# Altium PCB R45_Driver.PcbDoc (part 2 of 2)
Units mm, origin at the board's own origin, x right, y up, seen from the top; angles counter-clockwise.
Board outline 52 x 58.5 mm, 4 copper layers (Top Layer, Layer 1, Layer 2, Bottom Layer), stack 0.742 mm thick; 138 components, 86 nets, 412 pads, 530 vias.
Unrouted connection lines stored in the file: 10.
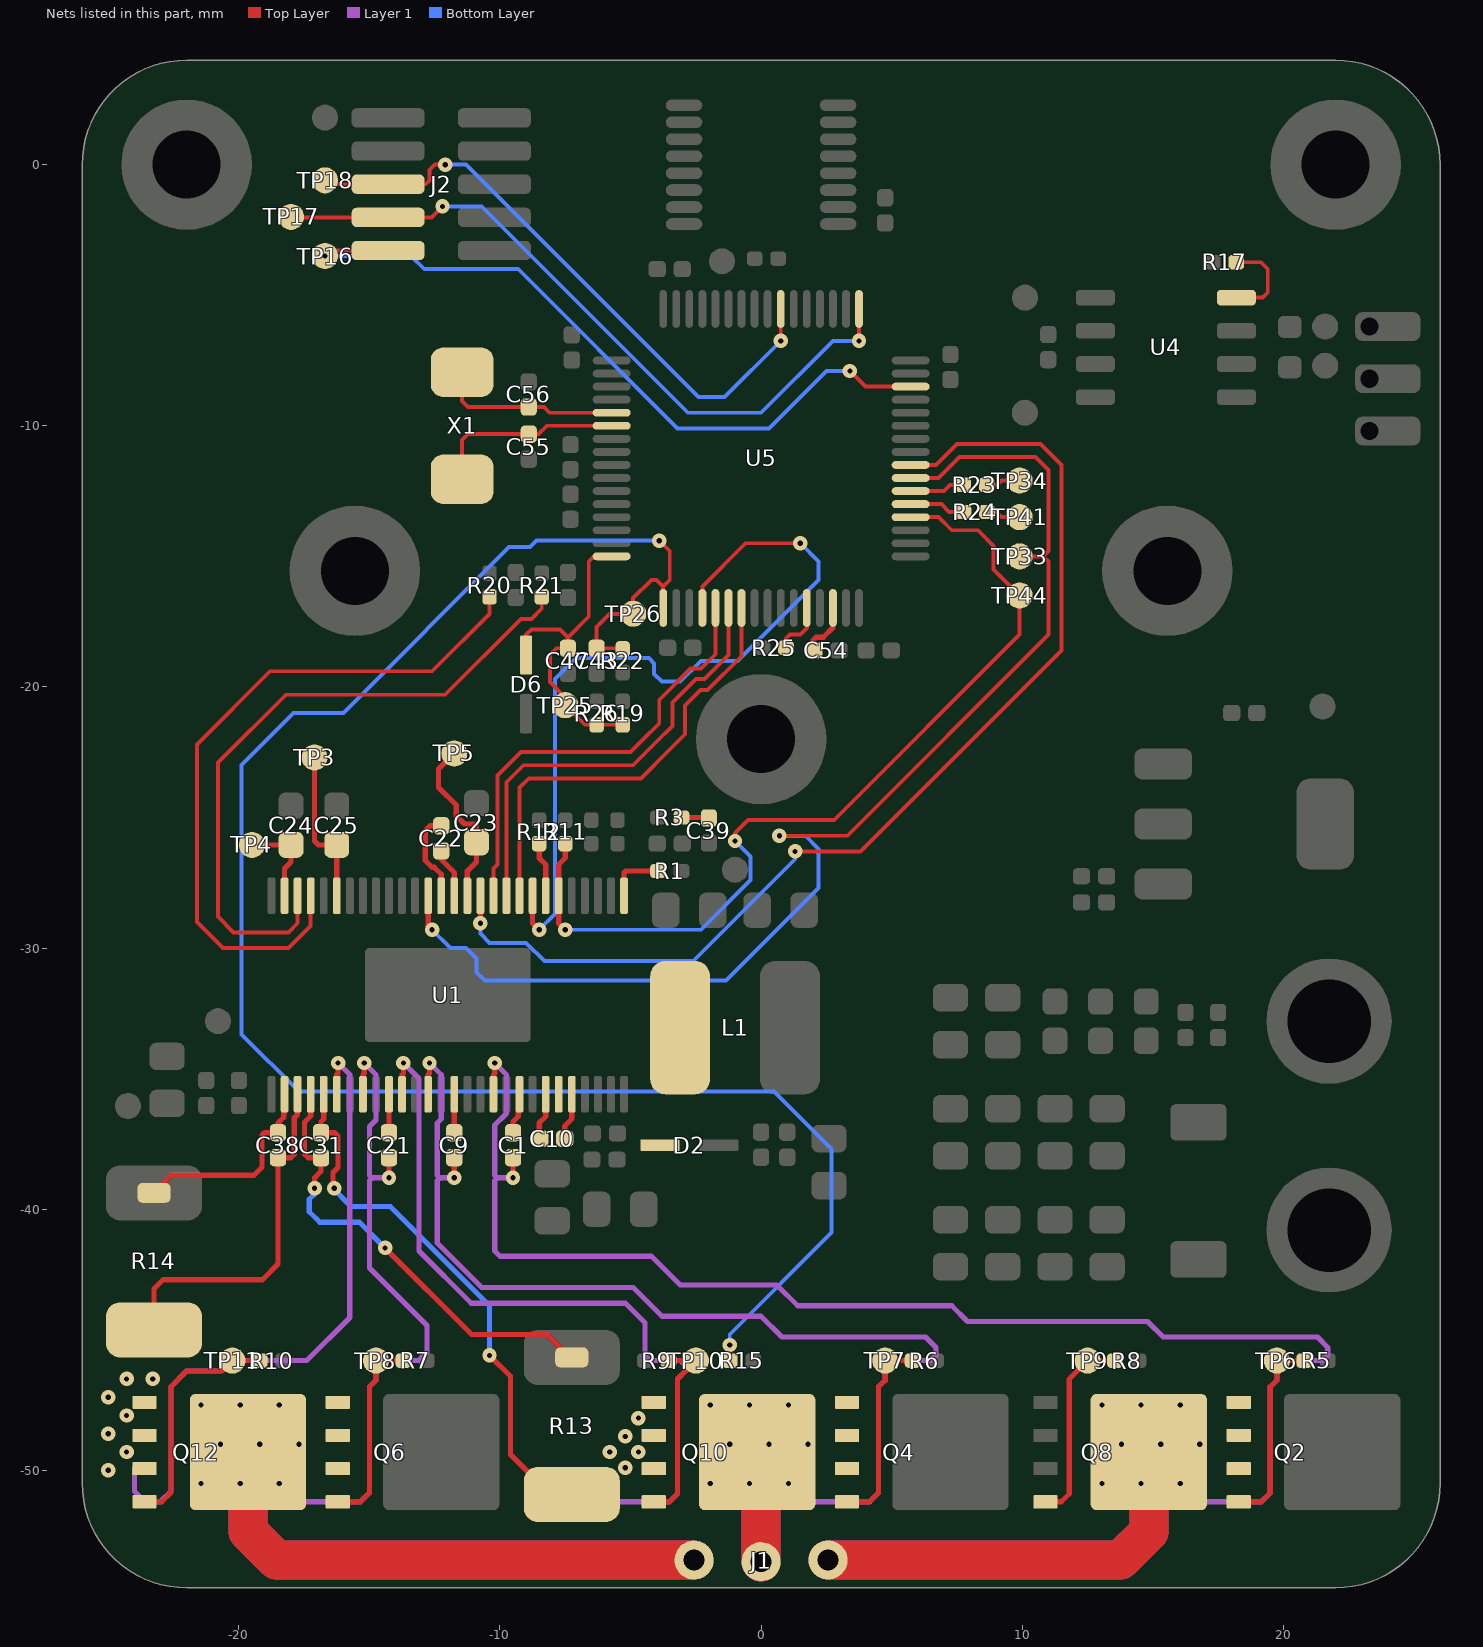
[diagram p4: the nets of this part, all layers, seen from the top]

## Via types
v1: diameter 0.55, hole 0.2, Top Layer to Bottom Layer, 418 vias
v2: diameter 0.55, hole 0.2, Top Layer to Bottom Layer, tented bottom, 72 vias
v3: diameter 0.7, hole 0.3, Top Layer to Bottom Layer, 40 vias

## Nets (pads, with @x,y where several pads share a name; then routed paths per layer and width w, separated by ;. In a path a pad name is that pad's centre, name@x,y a point inside that pad or via, vN(x,y) a via of type N, cw(c..) or ccw(c..) an arc to the next point about the centre after c; other vN are vias at no path point) (continued)
MCU_DC_CAL: U1.12 U5.40 | length 42.8
  Top Layer w0.15: v1(1.3,-26.3) 3.8,-26.3 11.5,-18.6 11.5,-11.5 10.7,-10.7 7.5,-10.7 6.7,-11.5 U5.40@5.725,-11.5
  Top Layer w0.2: v1(-10.75,-29.05) U1.12@-10.75,-28
  Bottom Layer w0.15: v1(-10.75,-29.05) -10.75,-29.45 -10.4,-29.8 -9,-29.8 -8.3,-30.5 -2.6,-30.5 1.3,-26.6 v1(1.3,-26.3)
MCU_EN_GATE: TP33.1 U1.16 U5.39 | length 48.6
  Top Layer w0.15: v1(0.7,-25.7) 3.3,-25.7 11,-18 11,-15.2 10.8,-15 ; U5.39@5.725,-12 6.8,-12 7.6,-11.2 10.5,-11.2 11,-11.7 11,-14.8 10.8,-15 ; TP33.1@9.9,-15 10.8,-15
  Top Layer w0.2: U1.16@-12.75,-28 -12.75,-29.15 v1(-12.6,-29.3)
  Bottom Layer w0.15: v1(-12.6,-29.3) -11.9,-30 -11.3,-30 -10.9,-30.4 -10.9,-30.928 -10.578,-31.25 -7.35,-31.25 -1.35,-31.25 2.2,-27.7 2.2,-26.2 1.7,-25.7 v1(0.7,-25.7)
MCU_MISO: U1.10 U5.22 | length 17.2
  Top Layer w0.15: U1.10@-9.75,-28 -9.75,-23.65 -9.1,-23 -4.9,-23 -4,-22.1 -3.4,-21.5 -3.4,-20.6 -2.5,-19.7 -2.175,-19.7 -1.25,-18.775 U5.22@-1.25,-16.975
MCU_MOSI: U1.9 U5.23 | length 17.2
  Top Layer w0.15: U1.9@-9.25,-28 -9.25,-23.85 -8.9,-23.5 -4.6,-23.5 -3.5,-22.4 -2.912,-21.812 -2.912,-20.712 -2.325,-20.125 -2.049,-20.125 -0.75,-18.826 U5.23@-0.75,-16.975
MCU_nFAULT: R11.1 TP44.1 U1.6 U5.36 | length 34.9
  Top Layer w0.15: v1(-1,-25.9) -1,-25.6 -0.5,-25.1 2.8,-25.1 9.9,-18 TP44.1@9.9,-16.5 8.9,-15.5 8.9,-14.6 8.3,-14 7.3,-14 6.8,-13.5 U5.36@5.725,-13.5
  Top Layer w0.2: v1(-7.5,-29.3) -7.75,-29.05 U1.6@-7.75,-28 -7.75,-26.8 -7.5,-26.55 R11.1@-7.5,-26
  Bottom Layer w0.15: v1(-7.5,-29.3) -2.3,-29.3 -0.4,-27.4 -0.4,-26.5 v1(-1,-25.9)
MCU_nSCS: U1.8 U5.20 | length 30.9
  Top Layer w0.15: U5.20@-2.25,-16.975 -2.25,-16.15 -0.6,-14.5 v1(1.5,-14.5)
  Top Layer w0.2: U1.8@-8.75,-28 -8.75,-29.05 v1(-8.5,-29.3)
  Bottom Layer w0.15: v1(-8.5,-29.3) -7.9,-28.7 -7.9,-20.295 -7.9,-19.7 -7.1,-18.9 -4.3,-18.9 -4.1,-19.1 -4.1,-19.5 -3.8,-19.8 -3.1,-19.8 -2.3,-19 -0.9,-19 2.2,-15.9 2.2,-15.2 v1(1.5,-14.5)
MCU_PSTEMP: C43.2 R15.2 R22.2 TP26.1 U5.17 | length 72.4
  Top Layer w0.15: R22.2@-5.3,-18.55 -5.33,-18.52 C43.2@-6.3,-18.52 -6.3,-17.7 -5.8,-17.2 TP26.1@-4.9,-17.2 -4.9,-16.6 -4.2,-15.9 -4,-15.9 -3.75,-16.15 ; v1(-3.9,-14.4) -3.5,-14.8 -3.5,-15.9 -3.75,-16.15 ; U5.17@-3.75,-16.975 -3.75,-16.15 ; R15.2@-1.2,-45.8 v1(-1.2,-45.2)
  Bottom Layer w0.15: v1(-3.9,-14.4) -8.6,-14.4 -8.85,-14.65 -9.65,-14.65 -16,-21 -17.9,-21 -19.892,-22.992 -19.892,-33.308 -17.7,-35.5 0.5,-35.5 2.7,-37.7 2.7,-40.9 -1.2,-44.8 v1(-1.2,-45.2)
MCU_SCK: U1.11 U5.21 | length 17.2
  Top Layer w0.15: U1.11@-10.25,-28 -10.25,-26.95 -10.1,-26.8 -10.1,-23.4 -9.2,-22.5 -5,-22.5 -4.5,-22 -3.9,-21.4 -3.9,-20.5 -2.7,-19.3 -2.3,-19.3 -1.75,-18.75 U5.21@-1.75,-16.975
MCU_SWCLK: J2.4 TP17.1 U5.49 | length 27.6
  Top Layer w0.15: TP17.1@-18,-2 -17.98,-2.02 J2.4@-14.285,-2.02 -12.62,-2.02 v1(-12.2,-1.6) ; v1(3.75,-6.75) U5.49@3.75,-5.525
  Bottom Layer w0.15: v1(-12.2,-1.6) -10.7,-1.6 -2.8,-9.5 0,-9.5 2.75,-6.75 v1(3.75,-6.75)
MCU_SWDIO: J2.2 TP16.1 U5.46 | length 28.8
  Top Layer w0.15: v1(-16.7,-3.5) -16.49,-3.29 J2.2@-14.285,-3.29 ; v1(3.4,-7.9) 4,-8.5 U5.46@5.725,-8.5
  Bottom Layer w0.15: v1(-16.7,-3.5) -13.4,-3.5 -12.9,-4 -9.3,-4 -3.2,-10.1 0.3,-10.1 2.5,-7.9 v1(3.4,-7.9)
MCU_SWO: J2.6 TP18.1 U5.55 | length 23.9
  Top Layer w0.15: TP18.1@-16.7,-0.6 -16.55,-0.75 J2.6@-14.285,-0.75 -12.85,-0.75 -12.7,-0.6 -12.7,-0.2 -12.5,0 v1(-12.1,0) ; v1(0.75,-6.75) U5.55@0.75,-5.525
  Bottom Layer w0.15: v1(-12.1,0) -11.3,0 -2.4,-8.9 -1.4,-8.9 v1(0.75,-6.75)
MCU_UART6_RX: R23.2 TP34.1 | length 1.3
  Top Layer w0.15: R23.2@8.64,-12.263 9.037,-12.263 9.2,-12.1 TP34.1@9.9,-12.1
MCU_UART6_TX: R24.2 TP41.1 | length 1.3
  Top Layer w0.15: R24.2@8.65,-13.3 9,-13.3 9.2,-13.5 TP41.1@9.9,-13.5
NetC1_2: C1.2 U1.48 | length 1.6
  Top Layer w0.2: C1.2@-9.5,-37.07 -9.5,-36.652 -9.3,-36.452 -9.3,-35.65 U1.48@-9.25,-35.6
NetC9_2: C9.2 U1.43 | length 1.5
  Top Layer w0.2: C9.2@-11.75,-37.07 U1.43@-11.75,-35.6
NetC10_1: C10.1 D2.2 L1.1 U1.50 U1.51 | length 1.8
  Top Layer w0.2: C10.1@-8.5,-37.3 -8.5,-36.7 -8.25,-36.45 U1.50@-8.25,-35.6
NetC10_2: C10.2 U1.52 | length 1.8
  Top Layer w0.2: C10.2@-7.52,-37.3 -7.52,-36.82 -7.25,-36.55 U1.52@-7.25,-35.6
NetC21_2: C21.2 U1.38 | length 1.5
  Top Layer w0.2: C21.2@-14.25,-37.07 U1.38@-14.25,-35.6
NetC22_1: C22.1 U1.15 | length 3.5
  Top Layer w0.2: U1.15@-12.25,-28 -12.25,-27.176 -12.516,-26.91 -12.593,-26.91 -12.86,-26.643 -12.86,-25.917 -12.86,-25.501 -12.679,-25.32 C22.1@-12.25,-25.32
NetC22_2: C22.2 U1.14 | length 1.9
  Top Layer w0.2: C22.2@-12.25,-26.28 -12.25,-26.611 -11.75,-27.111 -11.75,-27.305 U1.14@-11.75,-28
NetC23_2: C23.2 TP5.1 U1.13 | length 6.7
  Top Layer w0.2: TP5.1@-11.75,-22.55 -12.35,-23.15 -12.35,-23.85 -11.675,-24.525 -11.675,-24.935 -11.36,-25.25 -10.95,-25.25 -10.9,-25.3 C23.2@-10.9,-25.95 -10.9,-26.7 -11.25,-27.05 U1.13@-11.25,-28
NetC24_2: C24.2 TP4.1 U1.27 | length 3.6
  Top Layer w0.2: TP4.1@-19.5,-26.05 C24.2@-18,-26.05 -18,-26.7 -18.25,-26.95 U1.27@-18.25,-28
NetC25_2: C25.2 TP3.1 U1.23 | length 6.1
  Top Layer w0.2: TP3.1@-17.1,-22.7 -17.1,-25.9 -16.95,-26.05 C25.2@-16.25,-26.05 U1.23@-16.25,-28
NetC39_2: C39.2 R3.2 | length 1.1
  Top Layer w0.2: R3.2@-3.05,-25 -2.02,-25 C39.2@-2,-25.02
NetC54_2: C54.2 U5.30 | length 2.2
  Top Layer w0.2: C54.2@2,-18.7 2,-18.2 2.1,-18.1 2.381,-18.1 2.75,-17.731 U5.30@2.75,-16.975
NetC55_2: C55.2 U5.6 X1.1 | length 7.5
  Top Layer w0.15: X1.1@-11.45,-12.05 -11.45,-10.55 -11.22,-10.32 C55.2@-8.9,-10.32 -8.52,-10.32 -8.2,-10 U5.6@-5.725,-10
NetC56_2: C56.2 U5.5 X1.2 | length 7
  Top Layer w0.15: X1.2@-11.45,-7.95 -11.45,-9.05 -11.22,-9.28 C56.2@-8.9,-9.28 -8.32,-9.28 -8.1,-9.5 U5.5@-5.725,-9.5
NetQ2_4: Q2.4 R5.2 TP6.1 | length 7.6
  Top Layer w0.2: Q2.4@18.289,-51.205 19.155,-51.205 19.5,-50.86 19.5,-46.8 19.75,-46.55 TP6.1@19.75,-45.8 R5.2@20.8,-45.8
NetQ4_4: Q4.4 R6.2 TP7.1 | length 7.6
  Top Layer w0.2: Q4.4@3.289,-51.205 4.155,-51.205 4.5,-50.86 4.5,-46.8 4.75,-46.55 TP7.1@4.75,-45.8 R6.2@5.8,-45.8
NetQ6_4: Q6.4 R7.2 TP8.1 | length 7.6
  Top Layer w0.2: Q6.4@-16.211,-51.205 -15.345,-51.205 -15,-50.86 -15,-46.8 -14.75,-46.55 TP8.1@-14.75,-45.8 R7.2@-13.7,-45.8
NetQ8_4: Q8.4 R8.2 TP9.1 | length 7.5
  Top Layer w0.2: Q8.4@10.887,-51.205 11.495,-51.205 11.8,-50.9 11.8,-46.5 TP9.1@12.5,-45.8 R8.2@13.55,-45.8
NetQ10_4: Q10.4 R9.2 TP10.1 | length 7.5
  Top Layer w0.2: Q10.4@-4.113,-51.205 -3.505,-51.205 -3.2,-50.9 -3.2,-46.5 TP10.1@-2.5,-45.8 R9.2@-3.55,-45.8
NetQ12_4: Q12.4 R10.2 TP11.1 | length 9
  Top Layer w0.2: Q12.4@-23.613,-51.205 -22.955,-51.205 -22.6,-50.85 -22.6,-46.8 -22,-46.2 -20.65,-46.2 TP11.1@-20.25,-45.8 R10.2@-19.2,-45.8
NetR1_1: R1.1 U1.1 | length 2.2
  Top Layer w0.2: U1.1@-5.25,-28 -5.25,-27.12 -5.18,-27.05 R1.1@-3.95,-27.05
NetR12_2: R12.2 U1.7 | length 2.1
  Top Layer w0.2: R12.2@-8.5,-26 -8.5,-26.55 -8.25,-26.8 U1.7@-8.25,-28
NetR17_2: R17.2 U4.8 | length 3.5
  Top Layer w0.15: R17.2@18.196,-3.737 19.137,-3.737 19.4,-4 19.4,-4.9 19.205,-5.095 U4.8@18.2,-5.095
NetR23_1: R23.1 U5.38 | length 2.1
  Top Layer w0.15: U5.38@5.725,-12.5 7,-12.5 7.237,-12.263 R23.1@7.74,-12.263
NetR24_1: R24.1 U5.37 | length 2.1
  Top Layer w0.15: U5.37@5.725,-13 6.9,-13 7.2,-13.3 R24.1@7.75,-13.3
NetR25_2: R25.2 U5.28 | length 2.1
  Top Layer w0.15: R25.2@0.95,-18.5 0.95,-18.15 1.1,-18 1.5,-18 1.75,-17.75 U5.28@1.75,-16.975
PH_A: C1.1 J1.A Q2.1 Q2.2 Q2.3 Q8.5 U1.46 | length 85.3
  Top Layer w0.2: U1.46@-10.25,-35.6 -10.25,-34.85 -10.2,-34.8 v1(-10.2,-34.4) ; v1(-9.5,-38.8) C1.1@-9.5,-38.03
  Top Layer w1.5: J1.A@2.567,-53.438 13.762,-53.438 14.848,-52.352 Q8.5@14.848,-49.3
  Layer 1 w0.2: -10.201,-36.781 -9.75,-36.33 -9.75,-34.85 v1(-10.2,-34.4) ; -10.2,-36.8 -10.2,-38.7 -10.1,-38.8 ; v1(-9.5,-38.8) -10.1,-38.8 ; 16.9,-51.2 19.16,-51.2 19.5,-50.86 19.5,-46.8 19.75,-46.55 19.75,-46.05 20,-45.8 21.5,-45.8 21.7,-45.6 21.7,-45.3 21.3,-44.9 15.4,-44.9 14.8,-44.3 7.9,-44.3 7.3,-43.7 1.4,-43.7 0.6,-42.9 -3.1,-42.9 -4.2,-41.8 -10,-41.8 -10.2,-41.6 -10.2,-40.8 -10.2,-38.9 -10.1,-38.8
  Layer 1 w1.5: J1.A@2.567,-53.438 13.762,-53.438 14.848,-52.352 14.848,-49.3
  other v2: 13.05,-50.5 14.55,-50.5 16.05,-50.5 13.8,-49 15.3,-49 16.8,-49 13.05,-47.5 14.55,-47.5 16.05,-47.5
PH_B: C9.1 J1.B Q4.1 Q4.2 Q4.3 Q10.5 U1.41 | length 49.2
  Top Layer w0.2: U1.41@-12.75,-35.6 -12.75,-34.85 -12.7,-34.8 v1(-12.7,-34.4) ; v1(-11.75,-38.8) C9.1@-11.75,-38.03
  Top Layer w1.5: Q10.5@-0.152,-49.3 0,-49.452 J1.B@0,-53.5
  Layer 1 w0.2: v1(-12.7,-34.4) -12.25,-34.85 -12.25,-36.55 -12.4,-36.7 -12.4,-38.7 ; -12.4,-38.6 -12.4,-38.7 ; v1(-11.75,-38.8) -12.3,-38.8 ; 1.9,-51.2 4.16,-51.2 4.5,-50.86 4.5,-46.8 4.75,-46.55 4.75,-46.05 5,-45.8 6.5,-45.8 6.7,-45.6 6.7,-45.3 6.3,-44.9 0.8,-44.9 0,-44.1 -3.8,-44.1 -4.9,-43 -10.7,-43 -12.4,-41.3 -12.4,-38.9 -12.3,-38.8 ; -12.4,-38.7 -12.3,-38.8
  Layer 1 w1.5: -0.152,-49.3 0,-49.452 J1.B@0,-53.5
  other v2: -1.95,-50.5 -0.45,-50.5 1.05,-50.5 -1.2,-49 0.3,-49 1.8,-49 -1.95,-47.5 -0.45,-47.5 1.05,-47.5
PH_C: C21.1 J1.C Q6.1 Q6.2 Q6.3 Q12.5 U1.36 | length 66
  Top Layer w0.2: U1.36@-15.25,-35.6 -15.25,-34.85 -15.2,-34.8 v1(-15.2,-34.4) ; v1(-14.25,-38.8) C21.1@-14.25,-38.03
  Top Layer w1.5: Q12.5@-19.652,-49.3 -19.652,-50.5 -19.652,-52.348 -18.562,-53.438 J1.C@-2.567,-53.438
  Layer 1 w0.2: -17.6,-51.2 -15.34,-51.2 -15,-50.86 -15,-46.8 -14.75,-46.55 -14.75,-46.05 -14.5,-45.8 -13.1,-45.8 -12.8,-45.5 -12.8,-44.45 -15,-42.25 -15,-38.9 -14.9,-38.8 ; v1(-15.2,-34.4) -14.75,-34.85 -14.75,-36.6 -14.765,-36.6 -15,-36.835 -15,-38.7 -14.9,-38.8 ; v1(-14.25,-38.8) -14.9,-38.8
  Layer 1 w1.5: -19.652,-49.3 -19.652,-50.5 -19.652,-52.348 -18.562,-53.438 J1.C@-2.567,-53.438
  other v2: -21.45,-50.5 -19.95,-50.5 -18.45,-50.5 -20.7,-49 -19.2,-49 -17.7,-49 -21.45,-47.5 -19.95,-47.5 -18.45,-47.5
SL_B: Q10.1 Q10.2 Q10.3 R13.1 U1.39 | length 28.8
  Top Layer w0.2: U1.39@-13.75,-35.6 -13.75,-34.85 -13.7,-34.8 v1(-13.7,-34.4)
  Layer 1 w0.2: v1(-13.7,-34.4) -13.1,-35 -13.1,-41.6 -11.1,-43.6 -5.2,-43.6 -4.45,-44.35 -4.45,-45.625 -4.275,-45.8 -3.1,-45.8 -2.85,-46.05 -2.85,-46.15 -3.2,-46.5 -3.2,-50.9 -3.505,-51.205 -5.4,-51.205
  other v1: -5.2,-49.9 -5.8,-49.3 -4.7,-49.3 -5.2,-48.7 -4.7,-48
SL_C: Q12.1 Q12.2 Q12.3 R14.1 U1.34 | length 25.7
  Top Layer w0.2: U1.34@-16.25,-35.6 -16.25,-34.85 -16.2,-34.8 v1(-16.2,-34.4)
  Layer 1 w0.2: -24,-49.9 -24,-50.8 -23.6,-51.2 -23,-51.2 -22.6,-50.8 -22.6,-46.8 -22,-46.2 -20.7,-46.2 -20.3,-45.8 -17.4,-45.8 -15.75,-44.15 -15.75,-34.85 v1(-16.2,-34.4)
  other v1: -25,-50 -24.3,-49.3 -25,-48.6 -24.3,-47.9 -25,-47.2 -24.3,-46.5 -23.3,-46.5
SN1: C31.2 R13.3 U1.33 | length 21.5
  Top Layer w0.2: U1.33@-16.75,-35.6 -16.75,-36.55 -16.85,-36.65 C31.2@-16.85,-37.07 -16.33,-37.07 -16.2,-37.2 -16.2,-38.4 -16.4,-38.6 -16.4,-39.2 v1(-16.35,-39.2) ; v1(-10.4,-45.6) -9.6,-46.4 -9.6,-49.4 ; -9.6,-49.1 -9.6,-49.4 ; R13.3@-7.25,-50.925 -8.075,-50.925 -9.6,-49.4
  Bottom Layer w0.2: v1@-16.4,-39.2 -15.7,-39.9 -14.2,-39.9 -10.4,-43.7 v1(-10.4,-45.6)
SN2: C38.2 R14.3 U1.31 | length 13.8
  Top Layer w0.2: R14.3@-23.25,-44.625 -23.25,-43.05 -22.9,-42.7 -19.1,-42.7 -18.5,-42.1 C38.2@-18.5,-38.03 -18.011,-38.03 -17.881,-37.9 -17.881,-36.502 -17.75,-36.371 U1.31@-17.75,-35.6
SO1: R20.1 U1.25 | length 27
  Top Layer w0.15: U1.25@-17.25,-28 -17.25,-28.931 -17.25,-29.15 -18.1,-30 -20.6,-30 -21.6,-29 -21.6,-22.2 -18.8,-19.4 -12.6,-19.4 -10.4,-17.2 R20.1@-10.4,-16.55
SO2: R21.1 U1.26 | length 25.7
  Top Layer w0.15: U1.26@-17.75,-28 -17.75,-29.05 -18.1,-29.4 -20.2,-29.4 -20.8,-28.8 -20.8,-22.9 -18.2,-20.3 -12.1,-20.3 -9.2,-17.4 -8.8,-17.4 -8.4,-17 R21.1@-8.4,-16.55
SP1: C31.1 R13.4 U1.32 | length 17.6
  Top Layer w0.2: U1.32@-17.25,-35.6 -17.25,-36.437 -17.481,-36.668 -17.481,-37.894 -17.345,-38.03 C31.1@-16.85,-38.03 -16.85,-38.55 -17.1,-38.8 v1(-17.1,-39.2) ; v1(-14.399,-41.483) -11.082,-44.8 -8.2,-44.8 R13.4@-7.3,-45.7
  Bottom Layer w0.2: v1@-17.1,-39.3 -17.1,-39.416 -17.303,-39.619 -17.303,-40.096 -16.899,-40.5 -15.382,-40.5 v1(-14.399,-41.483)
SP2: C38.1 R14.4 U1.30 | length 8
  Top Layer w0.2: R14.4@-23.25,-39.375 -22.575,-38.7 -19.417,-38.7 -19.11,-38.393 -19.11,-37.16 -19.02,-37.07 C38.1@-18.5,-37.07 -18.5,-36.7 -18.281,-36.481 -18.281,-36.337 -18.25,-36.305 U1.30@-18.25,-35.6
VBUS_SENSE: C47.2 D6.1 R19.2 R26.1 TP25.1 U5.16 | length 12.7
  Top Layer w0.15: D6.1@-9,-18.775 -9,-18 -8.8,-17.8 -7.7,-17.8 -7.4,-18.1 ; U5.16@-5.725,-15 -6.4,-15 -6.6,-15.2 -6.6,-17.3 -7.4,-18.1 ; R19.2@-5.3,-21.45 R26.1@-6.3,-21.45 -6.75,-21.45 TP25.1@-7.5,-20.7 -7.5,-20.4 -8.084,-19.816 -8.084,-18.76 -7.844,-18.52 C47.2@-7.4,-18.52 -7.4,-18.1
pads on no net: Designator5.1 Designator5_1.1 Designator7.1 Designator7_1.1 Designator9_1.1 J2.7 J2.8 U1.4 U1.5 U1.55 U1.56 U3.1 U3.2 U3.3 U4.5 U5.2 U5.3 U5.4 U5.8 U5.11 U5.24 U5.25 U5.52 U5.53 U5.54 U5.57 U5.58 U5.59 U5.61
copper on no net:
  other v3: 0,-23.9 -1.343,-23.343 1.344,-23.343 -1.9,-22 1.9,-22 -1.343,-20.656 1.344,-20.656 0,-20.1 -15.556,-17.456 15.556,-17.456 -16.9,-16.9 -14.213,-16.9 14.213,-16.9 16.9,-16.9 -17.456,-15.556 -13.656,-15.556 13.656,-15.556 17.456,-15.556 -16.9,-14.213 -14.213,-14.213 14.213,-14.213 16.9,-14.213 -15.556,-13.656 15.556,-13.656 -22,-1.9 22,-1.9 -23.343,-1.343 -20.656,-1.343 20.657,-1.343 23.344,-1.343 -23.9,0 -20.1,0 20.1,0 23.9,0 -23.343,1.344 -20.656,1.344 20.657,1.344 23.344,1.344 -22,1.9 22,1.9

## Polygon pours and split planes (outlines as drawn)
+3V3 on Top Layer "NONET_L-01_P-001" (solid, remove dead copper, pour order 14): 10.166,-26.4 ccw(c10.166,-27.766) 9.2,-26.8 7.324,-28.676 cw(c6.3,-27.651) 6.3,-29.1 -26.9,-29.1 -26.9,5.2 26.3,5.2 26.3,-27.5 20.4,-27.5 cw(c20.4,-25.81) 19.205,-27.005 18.9,-26.7 ccw(c18.176,-27.424) 18.176,-26.4
GND on Top Layer "NONET_L-01_P-001" (solid, remove dead copper, pour order 11): -13.5,-13.5 ccw(c-13.3,-13.5) -13.3,-13.7 -9.741,-13.7 ccw(c-9.741,-13.359) -9.5,-13.6 -8.271,-12.371 ccw(c-8.441,-12.2) -8.2,-12.2 -8.2,-6.4 ccw(c-8.4,-6.4) -8.4,-6.2 -13.3,-6.2 ccw(c-13.3,-6.4) -13.5,-6.4
GND on Top Layer "NONET_L-01_P-001" (solid, remove dead copper, pour order 8): 26,-28.8 19.3,-28.8 ccw(c19.3,-29.7) 18.4,-29.7 18.4,-32.5 cw(c17.8,-32.5) 17.8,-33.1 6.7,-33.1 ccw(c6.7,-33.5) 6.3,-33.5 6.3,-36.4 ccw(c6.7,-36.4) 6.7,-36.8 14.176,-36.8 cw(c14.176,-37.824) 14.9,-37.1 ccw(c16.107,-35.893) 16.107,-37.6 18.948,-37.6 ccw(c18.948,-35.06) 20.744,-36.856 21,-36.6 cw(c22.449,-38.048) 22.449,-36 26,-36
+VBUS on Top Layer "NONET_L-01_P-001" (solid, remove dead copper, pour order 13): -27.5,-35.7 -15.8,-35.7 -15.8,-34.2 1.048,-34.2 ccw(c1.048,-31.66) 2.844,-33.456 6.056,-30.244 cw(c7.852,-32.04) 7.852,-29.5 28,-29.5 28,-56 -27.5,-56
GND on Top Layer "NONET_L-01_P-001" (solid, remove dead copper, pour order 17): -27.7,-19.9 -27.7,-35.8 -2.6,-35.8 -2.6,-27.7 -0.9,-27.7 -0.9,-19.9
+3V3 on Bottom Layer "NONET_L-01_P-001" (solid, remove dead copper, pour order 15): -26.9,-34.7 26.3,-34.7 26.3,5.2 -26.9,5.2
+VBUS on Bottom Layer "NONET_L-01_P-001" (solid, remove dead copper, pour order 12): -27.5,-34.2 1.048,-34.2 ccw(c1.048,-31.66) 2.844,-33.456 6.056,-30.244 cw(c7.852,-32.04) 7.852,-29.5 28,-29.5 28,-56 -27.5,-56
GND on Layer 1 "NONET_L-01_P-001" (solid, remove dead copper, pour order 10): -30.6,-57.9 -30.6,7.7 29.6,7.7 29.6,-57.9 -30.1,-57.9
GND on Layer 1 "NONET_L-01_P-001" (solid, remove dead copper, pour order 9): -13.5,-13.5 ccw(c-13.3,-13.5) -13.3,-13.7 -9.741,-13.7 ccw(c-9.741,-13.359) -9.5,-13.6 -8.271,-12.371 ccw(c-8.441,-12.2) -8.2,-12.2 -8.2,-6.4 ccw(c-8.4,-6.4) -8.4,-6.2 -13.3,-6.2 ccw(c-13.3,-6.4) -13.5,-6.4
GND on Layer 2 "NONET_L-01_P-001" (solid, remove dead copper, pour order 18): -30.6,-57.9 -30.6,7.7 29.6,7.7 29.6,-57.9 -30.1,-57.9

## Keep-outs
Top Layer:
  lines w0.1: -13.5,-13.5 ccw(c-13.3,-13.5) -13.3,-13.7 -9.741,-13.7 ccw(c-9.741,-13.359) -9.5,-13.6 -8.271,-12.371 ccw(c-8.441,-12.2) -8.2,-12.2 -8.2,-6.4 ccw(c-8.4,-6.4) -8.4,-6.2 -8.8,-6.2 -13.3,-6.2 ccw(c-13.3,-6.4) -13.5,-6.4 -13.5,-13.5
Layer 1:
  lines w0.1: -13.5,-13.5 ccw(c-13.3,-13.5) -13.3,-13.7 -9.741,-13.7 ccw(c-9.741,-13.359) -9.5,-13.6 -8.271,-12.371 ccw(c-8.441,-12.2) -8.2,-12.2 -8.2,-6.4 ccw(c-8.4,-6.4) -8.4,-6.2 -8.8,-6.2 -13.3,-6.2 ccw(c-13.3,-6.4) -13.5,-6.4 -13.5,-13.5
Layer 2:
  region: -13.5,-13.5 ccw(c-13.3,-13.5) -13.3,-13.7 -9.741,-13.7 ccw(c-9.741,-13.359) -9.5,-13.6 -8.271,-12.371 ccw(c-8.441,-12.2) -8.2,-12.2 -8.2,-6.4 ccw(c-8.4,-6.4) -8.4,-6.2 -13.3,-6.2 ccw(c-13.3,-6.4) -13.5,-6.4
Bottom Layer:
  region: -13.5,-13.5 ccw(c-13.3,-13.5) -13.3,-13.7 -9.741,-13.7 ccw(c-9.741,-13.359) -9.5,-13.6 -8.271,-12.371 ccw(c-8.441,-12.2) -8.2,-12.2 -8.2,-6.4 ccw(c-8.4,-6.4) -8.4,-6.2 -13.3,-6.2 ccw(c-13.3,-6.4) -13.5,-6.4

## Other copper
Top Layer:
  region net SL_B: -5.3,-52.1 ccw(c-5.3,-51.8) -5,-51.8 -5,-50.9 cw(c-4.7,-50.9) -4.7,-50.6 -3.8,-50.6 ccw(c-3.8,-50.3) -3.5,-50.3 -3.5,-47.2 ccw(c-3.8,-47.2) -3.8,-46.9 -4.8,-46.9 ccw(c-4.8,-47.2) -5.1,-47.2 -5.1,-47.817 cw(c-5.783,-47.817) -5.3,-48.3 -6.559,-49.559 cw(c-6.9,-49.217) -6.9,-49.7 -8.9,-49.7 ccw(c-8.9,-50) -9.2,-50 -9.2,-51.8 ccw(c-8.9,-51.8) -8.9,-52.1
  region net GND: -18.6,-28.6 cw(c-18.8,-28.6) -18.8,-28.8 -19.5,-28.8 cw(c-19.5,-28.6) -19.7,-28.6 -19.7,-27.4 cw(c-19.5,-27.4) -19.5,-27.2 -18.8,-27.2 cw(c-18.8,-27.4) -18.6,-27.4
  region net GND: 11.2,-26.8 ccw(c11.2,-27) 11,-27 11,-28.4 ccw(c11.2,-28.4) 11.2,-28.6 12.4,-28.6 ccw(c12.4,-28.4) 12.6,-28.4 12.6,-27 ccw(c12.4,-27) 12.4,-26.8
  region net GND: 7.4,-46.5 ccw(c7.6,-46.5) 7.6,-46.7 9.6,-46.7 cw(c9.6,-46.9) 9.8,-46.9 9.8,-50.3 ccw(c10,-50.3) 10,-50.5 11.3,-50.5 ccw(c11.3,-50.3) 11.5,-50.3 11.5,-45.5 ccw(c11.3,-45.5) 11.3,-45.3 7.6,-45.3 ccw(c7.6,-45.5) 7.4,-45.5
  region net +3V3: -2.4,-18 -2.35,-18 cw(c-2.35,-18.075) -2.275,-18.075 -2.275,-18.8 cw(c-2.375,-18.8) -2.375,-18.9 -2.9,-18.9 cw(c-2.9,-18.775) -3.025,-18.775 -3.025,-18.35 cw(c-2.844,-18.35) -2.972,-18.222 -2.95,-18.2 ccw(c-3.071,-18.079) -2.9,-18.079 -2.9,-16.5 -2.6,-16.5 -2.6,-17.8 ccw(c-2.4,-17.8)
  region net GND: -6.935,-13.05 cw(c-6.935,-13.135) -6.875,-13.075 -6.835,-13.115 ccw(c-6.75,-13.029) -6.75,-13.15 -5.55,-13.15 -5.55,-12.85 -6.394,-12.85 cw(c-6.394,-12.594) -6.575,-12.775 -6.672,-12.678 cw(c-6.544,-12.55) -6.725,-12.55 -6.725,-11.375 ccw(c-6.85,-11.375) -6.85,-11.25 -7.8,-11.25 ccw(c-7.8,-11.35) -7.9,-11.35 -7.9,-12.925 ccw(c-7.775,-12.925) -7.775,-13.05
  region net +3V3: -7.75,-7.125 ccw(c-7.75,-7.275) -7.9,-7.275 -7.9,-8.275 ccw(c-7.75,-8.275) -7.75,-8.425 -6.95,-8.425 ccw(c-6.95,-8.325) -6.85,-8.325 -6.85,-7.921 cw(c-6.679,-7.921) -6.8,-7.8 -6.703,-7.703 cw(c-6.575,-7.831) -6.575,-7.65 -5.625,-7.65 -5.625,-7.35 -6.584,-7.35 cw(c-6.584,-7.009) -6.825,-7.25 -6.897,-7.178 ccw(c-7.025,-7.306) -7.025,-7.125
  region net GND: 14.1,-6.63 cw(c13.9,-6.63) 13.9,-6.83 10.6,-6.83 cw(c10.6,-6.63) 10.4,-6.63 10.4,-6.03 cw(c10.6,-6.03) 10.6,-5.83 13.9,-5.83 cw(c13.9,-6.03) 14.1,-6.03
  region net GND: 1.4,0.35 cw(c1.6,0.35) 1.6,0.55 5,0.55 cw(c5,0.35) 5.2,0.35 5.2,-1.6 cw(c5.1,-1.6) 5.1,-1.7 4.6,-1.7 cw(c4.6,-1.459) 4.429,-1.629 4.1,-1.3 ccw(c3.859,-1.541) 3.859,-1.2 1.6,-1.2 cw(c1.6,-1) 1.4,-1
  region net +3V3: -8.3,-13.45 cw(c-8.1,-13.45) -8.1,-13.25 -7.035,-13.25 cw(c-7.035,-13.335) -6.975,-13.275 -6.935,-13.315 ccw(c-6.85,-13.229) -6.85,-13.35 -5.65,-13.35 -5.65,-13.65 -6.654,-13.65 ccw(c-6.654,-13.821) -6.775,-13.7 -7.022,-13.947 cw(c-7.15,-13.819) -7.15,-14 -7.225,-14 cw(c-7.241,-13.659) -7.241,-14 -8.1,-14 cw(c-8.1,-13.8) -8.3,-13.8
  region net GND: 3.1,-18 cw(c2.9,-18) 2.9,-18.2 2.8,-18.2 ccw(c2.8,-18.4) 2.6,-18.4 2.6,-19.3 ccw(c2.8,-19.3) 2.8,-19.5 4.2,-19.5 ccw(c4.2,-19.3) 4.4,-19.3 4.4,-18.3 ccw(c4.2,-18.3) 4.2,-18.1 3.6,-18.1 cw(c3.6,-17.9) 3.4,-17.9 3.4,-16.6 3.1,-16.6
  region net GND: 5.25,-8.15 6.55,-8.15 cw(c6.55,-8.35) 6.75,-8.35 6.75,-8.45 ccw(c6.95,-8.45) 6.95,-8.65 7.95,-8.65 ccw(c7.95,-8.45) 8.15,-8.45 8.15,-8.05 ccw(c7.95,-8.05) 7.95,-7.85 5.25,-7.85
  region net +3V3: -3.9,-6 -3.9,-4.7 ccw(c-4.1,-4.7) -4.1,-4.5 -4.2,-4.5 cw(c-4.2,-4.3) -4.4,-4.3 -4.4,-3.3 cw(c-4.2,-3.3) -4.2,-3.1 -3.8,-3.1 cw(c-3.8,-3.3) -3.6,-3.3 -3.6,-6
  region net +3V3: 18.3,-24.35 ccw(c18.3,-24.05) 18.6,-24.05 18.6,-20.35 cw(c18.9,-20.35) 18.9,-20.05 23.2,-20.05 23.2,-27.25 20.507,-27.25 cw(c20.507,-25.543) 19.3,-26.75 19.124,-26.574 ccw(c18.1,-27.598) 18.1,-26.15 14.3,-26.15 cw(c14.3,-25.85) 14,-25.85 14,-24.65 cw(c14.3,-24.65) 14.3,-24.35
  region net GND: -3.1,-4.6 cw(c-2.9,-4.6) -2.9,-4.4 -2.8,-4.4 ccw(c-2.8,-4.2) -2.6,-4.2 -2.6,-3.3 ccw(c-2.8,-3.3) -2.8,-3.1 -3.2,-3.1 ccw(c-3.2,-3.3) -3.4,-3.3 -3.4,-6 -3.1,-6
  region net GND: -3.1,-17.954 cw(c-3.271,-17.954) -3.15,-18.075 -3.154,-18.079 ccw(c-2.984,-18.25) -3.225,-18.25 -3.225,-19.2 cw(c-3.425,-19.2) -3.425,-19.4 -3.7,-19.4 cw(c-3.7,-19.2) -3.9,-19.2 -3.9,-18.2 cw(c-3.7,-18.2) -3.7,-18 -3.6,-18 ccw(c-3.6,-17.8) -3.4,-17.8 -3.4,-16.5 -3.1,-16.5
  region net GND: 14.3,-23.95 cw(c14.3,-23.65) 14,-23.65 14,-20.35 cw(c14.3,-20.35) 14.3,-20.05 18.1,-20.05 cw(c18.1,-20.35) 18.4,-20.35 18.4,-23.45 cw(c17.9,-23.45) 17.9,-23.95
  region net GND: 6.75,-41.05 cw(c6.75,-40.8) 6.5,-40.8 6.5,-39.55 cw(c6.75,-39.55) 6.75,-39.3 13.75,-39.3 cw(c13.75,-39.55) 14,-39.55 14,-40.8 cw(c13.75,-40.8) 13.75,-41.05
  region net GND: -5.4,-40.7 ccw(c-5.2,-40.7) -5.2,-40.9 -3.524,-40.9 ccw(c-3.524,-39.876) -2.8,-40.6 -2.312,-40.112 cw(c-1.8,-40.624) -1.8,-39.9 3.3,-39.9 ccw(c3.3,-39.7) 3.5,-39.7 3.5,-38.6 ccw(c3.3,-38.6) 3.3,-38.4 2.341,-38.4 cw(c2.341,-38.059) 2.1,-38.3 1.541,-37.741 ccw(c1.2,-38.083) 1.2,-37.6 -0.259,-37.6 cw(c-0.259,-37.259) -0.5,-37.5 -0.659,-37.341 ccw(c-1,-37.683) -1,-37.2 -2.4,-37.2 ccw(c-2.4,-37.4) -2.6,-37.4 -2.6,-37.8 cw(c-2.9,-37.8) -2.9,-38.1 -4.7,-38.1 cw(c-4.7,-37.9) -4.9,-37.9 -4.9,-36.9 ccw(c-5.1,-36.9) -5.1,-36.7 -5.7,-36.7 ccw(c-5.7,-36.9) -5.9,-36.9 -5.9,-38.659 ccw(c-5.559,-38.659) -5.8,-38.9 -5.541,-39.159 cw(c-5.883,-39.5) -5.4,-39.5
  region net GND: -9.35,-39.65 ccw(c-9.35,-39.8) -9.5,-39.8 -9.5,-40.2 -9.5,-41 ccw(c-9.35,-41) -9.35,-41.15 -7.45,-41.15 ccw(c-7.45,-40.95) -7.25,-40.95 -7.25,-39.85 ccw(c-7.45,-39.85) -7.45,-39.65
  region net GND: -9.2,-44.8 cw(c-8.9,-44.8) -8.9,-44.5 -5.7,-44.5 cw(c-5.7,-44.8) -5.4,-44.8 -5.4,-47.7 cw(c-5.883,-47.7) -5.541,-48.041 -6.7,-49.2 cw(c-7.183,-48.717) -7.183,-49.4 -8.9,-49.4 cw(c-8.9,-49.1) -9.2,-49.1
  region net +3V3: -20.448,-9.634 ccw(c-20.256,-9.634) -20.065,-9.634 -20.065,-9.018 cw(c-19.969,-9.018) -19.874,-9.018 -19.874,-9.634 ccw(c-19.682,-9.634) -19.491,-9.634 -19.491,-8.994 cw(c-19.395,-8.994) -19.299,-8.994 -19.299,-9.634 ccw(c-19.108,-9.634) -18.916,-9.634 -18.916,-8.678 cw(c-18.821,-8.678) -18.725,-8.678 -18.725,-9.634 ccw(c-18.534,-9.634) -18.342,-9.634 -18.342,-8.193 cw(c-18.247,-8.193) -18.151,-8.193 -18.151,-9.634 ccw(c-17.96,-9.634) -17.768,-9.634 -17.768,-8.543 cw(c-17.673,-8.543) -17.577,-8.543 -17.577,-9.634 ccw(c-17.386,-9.634) -17.194,-9.634 -17.194,-8.137 cw(c-17.099,-8.137) -17.003,-8.137 -17.003,-9.293 ccw(c-16.811,-9.293) -16.811,-9.484 -16.369,-9.484 ccw(c-16.369,-9.436) -16.321,-9.436 ccw(c-16.369,-9.436) -16.369,-9.388 -16.811,-9.388 cw(c-16.811,-9.293) -16.907,-9.293 -16.907,-8.137 ccw(c-17.099,-8.137) -17.29,-8.137 -17.29,-9.634 cw(c-17.386,-9.634) -17.481,-9.634 -17.481,-8.543 ccw(c-17.673,-8.543) -17.864,-8.543 -17.864,-9.634 cw(c-17.96,-9.634) -18.055,-9.634 -18.055,-8.193 ccw(c-18.247,-8.193) -18.438,-8.193 -18.438,-9.634 cw(c-18.534,-9.634) -18.629,-9.634 -18.629,-8.678 ccw(c-18.821,-8.678) -19.012,-8.678 -19.012,-9.634 cw(c-19.108,-9.634) -19.203,-9.634 -19.203,-8.994 ccw(c-19.395,-8.994) -19.587,-8.994 -19.587,-9.634 cw(c-19.682,-9.634) -19.778,-9.634 -19.778,-9.018 ccw(c-19.969,-9.018) -20.161,-9.018 -20.161,-9.634 cw(c-20.256,-9.634) -20.352,-9.634 -20.352,-9.018 ccw(c-20.543,-9.018) -20.735,-9.018 -20.735,-9.293 cw(c-20.83,-9.293) -20.83,-9.388 -23.904,-9.388 ccw(c-23.904,-9.436) -23.904,-9.484 -20.83,-9.484 ccw(c-20.83,-9.293) -20.639,-9.293 -20.639,-9.018 cw(c-20.543,-9.018) -20.448,-9.018
  region net +3V3: -23.096,-10.395 ccw(c-22.905,-10.395) -22.713,-10.395 -22.713,-10.01 cw(c-22.618,-10.01) -22.522,-10.01 -22.522,-10.395 ccw(c-22.331,-10.395) -22.139,-10.395 -22.139,-10.01 cw(c-22.044,-10.01) -21.948,-10.01 -21.948,-10.395 ccw(c-21.757,-10.395) -21.565,-10.395 -21.565,-10.01 cw(c-21.47,-10.01) -21.374,-10.01 -21.374,-10.395 ccw(c-21.183,-10.395) -20.991,-10.395 -20.991,-10.333 cw(c-20.895,-10.333) -20.895,-10.238 -20.533,-10.238 -20.514,-10.238 cw(c-20.533,-11.146) -19.89,-10.504 -19.697,-10.697 ccw(c-18.987,-9.986) -18.987,-10.991 -16.369,-10.991 ccw(c-16.369,-10.943) -16.321,-10.943 ccw(c-16.369,-10.943) -16.369,-10.895 -18.987,-10.895 cw(c-18.987,-9.986) -19.629,-10.629 -19.822,-10.436 ccw(c-20.533,-11.146) -20.512,-10.142 -20.533,-10.142 -20.895,-10.142 ccw(c-20.895,-10.333) -21.087,-10.333 -21.087,-10.395 cw(c-21.183,-10.395) -21.278,-10.395 -21.278,-10.01 ccw(c-21.47,-10.01) -21.661,-10.01 -21.661,-10.395 cw(c-21.757,-10.395) -21.852,-10.395 -21.852,-10.01 ccw(c-22.044,-10.01) -22.235,-10.01 -22.235,-10.395 cw(c-22.331,-10.395) -22.426,-10.395 -22.426,-10.01 ccw(c-22.618,-10.01) -22.809,-10.01 -22.809,-10.395 cw(c-22.905,-10.395) -23,-10.395 -23,-10.01 ccw(c-23.192,-10.01) -23.383,-10.01 -23.383,-10.046 cw(c-23.479,-10.046) -23.479,-10.142 -23.904,-10.142 ccw(c-23.904,-10.19) -23.904,-10.238 -23.479,-10.238 ccw(c-23.479,-10.046) -23.288,-10.046 -23.288,-10.01 cw(c-23.192,-10.01) -23.096,-10.01
  region net +3V3: -23.904,-7.977 -21.653,-7.977 ccw(c-21.653,-6.972) -21.603,-7.976 -21.586,-7.972 -21.49,-7.929 ccw(c-21.605,-7.67) -21.321,-7.67 -21.321,-6.353 cw(c-21.133,-6.353) -21.133,-6.164 cw(c-21.133,-6.353) -20.945,-6.353 -20.945,-8.006 ccw(c-20.66,-8.006) -20.66,-8.291 ccw(c-20.66,-8.006) -20.376,-8.006 -20.376,-6.353 cw(c-20.188,-6.353) -20.188,-6.164 cw(c-20.188,-6.353) -20,-6.353 -20,-8.006 ccw(c-19.716,-8.006) -19.716,-8.291 ccw(c-19.716,-8.006) -19.431,-8.006 -19.431,-6.659 cw(c-19.243,-6.659) -19.243,-6.47 -16.369,-6.47 ccw(c-16.369,-6.422) -16.321,-6.422 ccw(c-16.369,-6.422) -16.369,-6.374 -19.243,-6.374 ccw(c-19.243,-6.659) -19.527,-6.659 -19.527,-8.006 cw(c-19.716,-8.006) -19.716,-8.195 cw(c-19.716,-8.006) -19.904,-8.006 -19.904,-6.353 ccw(c-20.188,-6.353) -20.188,-6.068 ccw(c-20.188,-6.353) -20.472,-6.353 -20.472,-8.006 cw(c-20.66,-8.006) -20.66,-8.195 cw(c-20.66,-8.006) -20.849,-8.006 -20.849,-6.353 ccw(c-21.133,-6.353) -21.133,-6.068 ccw(c-21.133,-6.353) -21.417,-6.353 -21.417,-7.67 cw(c-21.605,-7.67) -21.529,-7.842 -21.616,-7.881 -21.653,-7.881 -23.904,-7.881 ccw(c-23.904,-7.929)
  region net +3V3: -23.904,-8.635 -19.779,-8.635 ccw(c-19.779,-7.726) -19.137,-8.369 -18.63,-7.861 -18.629,-7.861 ccw(c-18.697,-7.794) -18.602,-7.794 ccw(c-18.697,-7.794) -18.629,-7.727 -18.63,-7.726 -19.103,-7.253 -19.103,-7.252 cw(c-18.968,-7.117) -19.103,-6.982 cw(c-18.968,-7.117) -18.833,-6.982 -18.832,-6.982 -17.682,-8.132 ccw(c-17.615,-8.065) -17.547,-8.132 ccw(c-17.615,-8.065) -17.519,-8.065 ccw(c-17.615,-8.065) -17.547,-7.997 -18.592,-6.952 cw(c-18.456,-6.817) -18.592,-6.681 cw(c-18.456,-6.817) -18.321,-6.681 -17.276,-7.726 ccw(c-17.209,-7.659) -17.141,-7.726 ccw(c-17.209,-7.659) -17.113,-7.659 ccw(c-17.209,-7.659) -17.141,-7.591 -17.277,-7.455 -17.278,-7.455 cw(c-17.142,-7.319) -17.142,-7.128 -16.369,-7.128 cw(c-16.369,-7.176) -16.321,-7.176 cw(c-16.369,-7.176) -16.369,-7.224 -17.142,-7.224 ccw(c-17.142,-7.319) -17.21,-7.387 -17.209,-7.387 -17.073,-7.523 cw(c-17.209,-7.659) -17.017,-7.659 cw(c-17.209,-7.659) -17.073,-7.794 cw(c-17.209,-7.659) -17.344,-7.794 -18.389,-6.749 ccw(c-18.456,-6.817) -18.524,-6.749 ccw(c-18.456,-6.817) -18.524,-6.884 -17.479,-7.929 cw(c-17.615,-8.065) -17.423,-8.065 cw(c-17.615,-8.065) -17.479,-8.2 cw(c-17.615,-8.065) -17.75,-8.2 -18.9,-7.05 ccw(c-18.968,-7.117) -19.035,-7.05 -19.036,-7.05 ccw(c-18.968,-7.117) -19.036,-7.185 -19.035,-7.185 -18.562,-7.659 cw(c-18.697,-7.794) -18.506,-7.794 cw(c-18.697,-7.794) -18.562,-7.929 -19.069,-8.436 cw(c-19.779,-7.726) -19.779,-8.731 -23.904,-8.731 cw(c-23.904,-8.683)
  region net +VBUS: -6.9,-37.7 cw(c-7.1,-37.7) -7.1,-37.9 -8.7,-37.9 ccw(c-8.7,-38.1) -8.9,-38.1 -8.9,-39.1 ccw(c-8.7,-39.1) -8.7,-39.3 -7.1,-39.3 cw(c-7.1,-39.5) -6.9,-39.5 -6.9,-41.2 ccw(c-6.7,-41.2) -6.7,-41.4 -5.8,-41.4 ccw(c-5.8,-41.2) -5.6,-41.2 -5.6,-39.541 ccw(c-5.941,-39.541) -5.7,-39.3 -6.029,-38.971 cw(c-5.859,-38.8) -6.1,-38.8 -6.1,-35 ccw(c-6.3,-35) -6.3,-34.8 -6.7,-34.8 ccw(c-6.7,-35) -6.9,-35
  region net +VBUS: -20.5,-37.7 ccw(c-20.5,-37.217) -20.159,-37.559 -18.741,-36.141 ccw(c-19.083,-35.8) -18.6,-35.8 -18.6,-35 ccw(c-18.7,-35) -18.7,-34.9 -18.8,-34.9 ccw(c-18.8,-35.141) -18.971,-34.971 -19.5,-35.5 cw(c-19.741,-35.259) -19.741,-35.6 -21.6,-35.6 cw(c-21.6,-35.359) -21.771,-35.529 -21.8,-35.5 ccw(c-22.041,-35.741) -22.041,-35.4 -24.7,-35.4 ccw(c-24.7,-35.7) -25,-35.7 -25,-37.5 ccw(c-24.8,-37.5) -24.8,-37.7
  region net SL_C: -25.2,-50.5 cw(c-25.2,-50.2) -25.5,-50.2 -25.5,-43.8 cw(c-25.2,-43.8) -25.2,-43.5 -21.6,-43.5 cw(c-21.6,-43.8) -21.3,-43.8 -21.3,-45.5 cw(c-21.6,-45.5) -21.6,-45.8 -22.6,-45.8 ccw(c-22.6,-46.1) -22.9,-46.1 -22.902,-47.1 -22.902,-50.2 cw(c-23.202,-50.2) -23.202,-50.5
  region net GND: -25.5,-41.7 ccw(c-25.2,-41.7) -25.2,-42 -21.6,-42 ccw(c-21.6,-41.7) -21.3,-41.7 -21.3,-38.55 ccw(c-21.6,-38.55) -21.6,-38.25 -25.2,-38.25 ccw(c-25.2,-38.55) -25.5,-38.55
  region net PH_A: 17.5,-51.4 17.5,-51.5 cw(c17.2,-51.5) 17.2,-51.8 12.8,-51.8 cw(c12.8,-51.5) 12.5,-51.5 12.5,-47.3 12.5,-47.1 cw(c12.8,-47.1) 12.8,-46.8 13.75,-46.8 18.4,-46.8 18.7,-46.8 cw(c18.7,-47.1) 19,-47.1 19,-50.2 cw(c18.7,-50.2) 18.7,-50.5 17.8,-50.5 ccw(c17.8,-50.8) 17.5,-50.8
  region net PH_B: 2.5,-51.4 2.5,-51.5 cw(c2.2,-51.5) 2.2,-51.8 -2.2,-51.8 cw(c-2.2,-51.5) -2.5,-51.5 -2.5,-47.3 -2.5,-47.1 cw(c-2.2,-47.1) -2.2,-46.8 -1.25,-46.8 3.4,-46.8 3.7,-46.8 cw(c3.7,-47.1) 4,-47.1 4,-50.2 cw(c3.7,-50.2) 3.7,-50.5 2.8,-50.5 ccw(c2.8,-50.8) 2.5,-50.8
  region net PH_C: -17,-51.4 -17,-51.5 cw(c-17.3,-51.5) -17.3,-51.8 -21.7,-51.8 cw(c-21.7,-51.5) -22,-51.5 -22,-47.3 -22,-47.1 cw(c-21.7,-47.1) -21.7,-46.8 -20.75,-46.8 -16.1,-46.8 -15.8,-46.8 cw(c-15.8,-47.1) -15.5,-47.1 -15.5,-50.2 cw(c-15.8,-50.2) -15.8,-50.5 -16.7,-50.5 ccw(c-16.7,-50.8) -17,-50.8
  region net +5V: 13,-26.75 ccw(c13,-26.95) 12.8,-26.95 12.8,-28.45 ccw(c13,-28.45) 13,-28.65 16.4,-28.65 ccw(c16.4,-28.45) 16.6,-28.45 16.6,-26.95 ccw(c16.4,-26.95) 16.4,-26.75
  region net NetC10_1: -4.7,-37.7 ccw(c-4.5,-37.7) -4.5,-37.9 -3.1,-37.9 ccw(c-3.1,-37.7) -2.9,-37.7 -2.9,-36.8 cw(c-2.417,-36.8) -2.759,-36.459 -1.9,-35.6 ccw(c-2.141,-35.359) -1.8,-35.359 -1.8,-30.6 ccw(c-2,-30.6) -2,-30.4 -4.5,-30.4 ccw(c-4.5,-30.883) -4.841,-30.541 -8.2,-33.9 ccw(c-7.717,-34.383) -8.4,-34.383 -8.4,-36.2 ccw(c-8.2,-36.2) -8.2,-36.4 -7.8,-36.4 ccw(c-7.8,-36.2) -7.6,-36.2 -7.6,-34.7 cw(c-7.5,-34.7) -7.5,-34.6 -4.9,-34.6 cw(c-4.9,-34.8) -4.7,-34.8
  region net +5V: 1.359,-37.4 cw(c1.359,-37.741) 1.6,-37.5 2.229,-38.129 ccw(c2.4,-37.959) 2.4,-38.2 3.3,-38.2 ccw(c3.3,-38) 3.5,-38 3.5,-31.183 ccw(c2.817,-31.183) 3.3,-30.7 2.441,-29.841 ccw(c2.1,-30.183) 2.1,-29.7 1,-29.7 cw(c1,-29.5) 0.8,-29.5 0.8,-28 ccw(c0.5,-28) 0.5,-27.7 -2.4,-27.7 ccw(c-2.4,-27.9) -2.6,-27.9 -2.6,-29.6 ccw(c-2.4,-29.6) -2.4,-29.8 -0.7,-29.8 cw(c-0.7,-30) -0.5,-30 -0.5,-36.959 ccw(c-0.159,-36.959) -0.4,-37.2 -0.271,-37.329 ccw(c-0.1,-37.159) -0.1,-37.4
Layer 1:
  region net SL_B: -5.3,-52.1 ccw(c-5.3,-51.8) -5,-51.8 -5,-50.9 cw(c-4.7,-50.9) -4.7,-50.6 -3.8,-50.6 ccw(c-3.8,-50.3) -3.5,-50.3 -3.5,-47.2 ccw(c-3.8,-47.2) -3.8,-46.9 -4.8,-46.9 ccw(c-4.8,-47.2) -5.1,-47.2 -5.1,-47.817 cw(c-5.783,-47.817) -5.3,-48.3 -6.559,-49.559 cw(c-6.9,-49.217) -6.9,-49.7 -8.9,-49.7 ccw(c-8.9,-50) -9.2,-50 -9.2,-51.8 ccw(c-8.9,-51.8) -8.9,-52.1
  region net SL_C: -25.5,-46.2 cw(c-25.2,-46.2) -25.2,-45.9 -23.2,-45.9 cw(c-23.2,-46.2) -22.9,-46.2 -22.902,-47.1 -22.902,-50.2 cw(c-23.202,-50.2) -23.202,-50.5 -25.2,-50.5 cw(c-25.2,-50.2) -25.5,-50.2
  region net PH_A: 17.5,-51.4 17.5,-51.5 cw(c17.2,-51.5) 17.2,-51.8 12.8,-51.8 cw(c12.8,-51.5) 12.5,-51.5 12.5,-47.3 12.5,-47.1 cw(c12.8,-47.1) 12.8,-46.8 13.75,-46.8 18.4,-46.8 18.7,-46.8 cw(c18.7,-47.1) 19,-47.1 19,-50.2 cw(c18.7,-50.2) 18.7,-50.5 17.8,-50.5 ccw(c17.8,-50.8) 17.5,-50.8
  region net PH_B: 2.5,-51.4 2.5,-51.5 cw(c2.2,-51.5) 2.2,-51.8 -2.2,-51.8 cw(c-2.2,-51.5) -2.5,-51.5 -2.5,-47.3 -2.5,-47.1 cw(c-2.2,-47.1) -2.2,-46.8 -1.25,-46.8 3.4,-46.8 3.7,-46.8 cw(c3.7,-47.1) 4,-47.1 4,-50.2 cw(c3.7,-50.2) 3.7,-50.5 2.8,-50.5 ccw(c2.8,-50.8) 2.5,-50.8
  region net PH_C: -17,-51.4 -17,-51.5 cw(c-17.3,-51.5) -17.3,-51.8 -21.7,-51.8 cw(c-21.7,-51.5) -22,-51.5 -22,-47.3 -22,-47.1 cw(c-21.7,-47.1) -21.7,-46.8 -20.75,-46.8 -16.1,-46.8 -15.8,-46.8 cw(c-15.8,-47.1) -15.5,-47.1 -15.5,-50.2 cw(c-15.8,-50.2) -15.8,-50.5 -16.7,-50.5 ccw(c-16.7,-50.8) -17,-50.8

## Silkscreen, mask and mechanical layers (free items; w line width, h text height)
Top Overlay:
  drawing of 11 lines, arcs and shapes, not listed
  text "-" at 24.508,-30.046 h1.52 r90
  text "+" at 24.046,-45 h1.52
  text "C" at -4.9,-54 h1
  text "A" at 4.1,-54 h1
  text "R45 Driver v1.0" at -21.9,-54.073 h1.75
Bottom Overlay:
  text "-" at 18.992,-30.046 h1.52 r270
  text "+" at 19.454,-45 h1.52
Mechanical 1:
  lines w0.1: 24.75,-49.5 ccw(c24.749,-49.499) 24.75,-49.499 ; -26,-54.5 ccw(c-26,-54.5) -26,-54.5 ; -26,-50.5 ccw(c-22,-50.5) -22,-54.5 22,-54.5 ccw(c22,-50.5) 26,-50.5 26,0 ccw(c22,0) 22,4 -22,4 ccw(c-22,0) -26,0 -26,-50.5

## Text inside footprints (layer, text, board x,y; h text height)
J3: Top Overlay "1" at 23.496,-4.863 h1 r270; Bottom Overlay "1" at 23.504,-5.037 h1 r270